# KiCad board helixloop.kicad_pcb (continued)
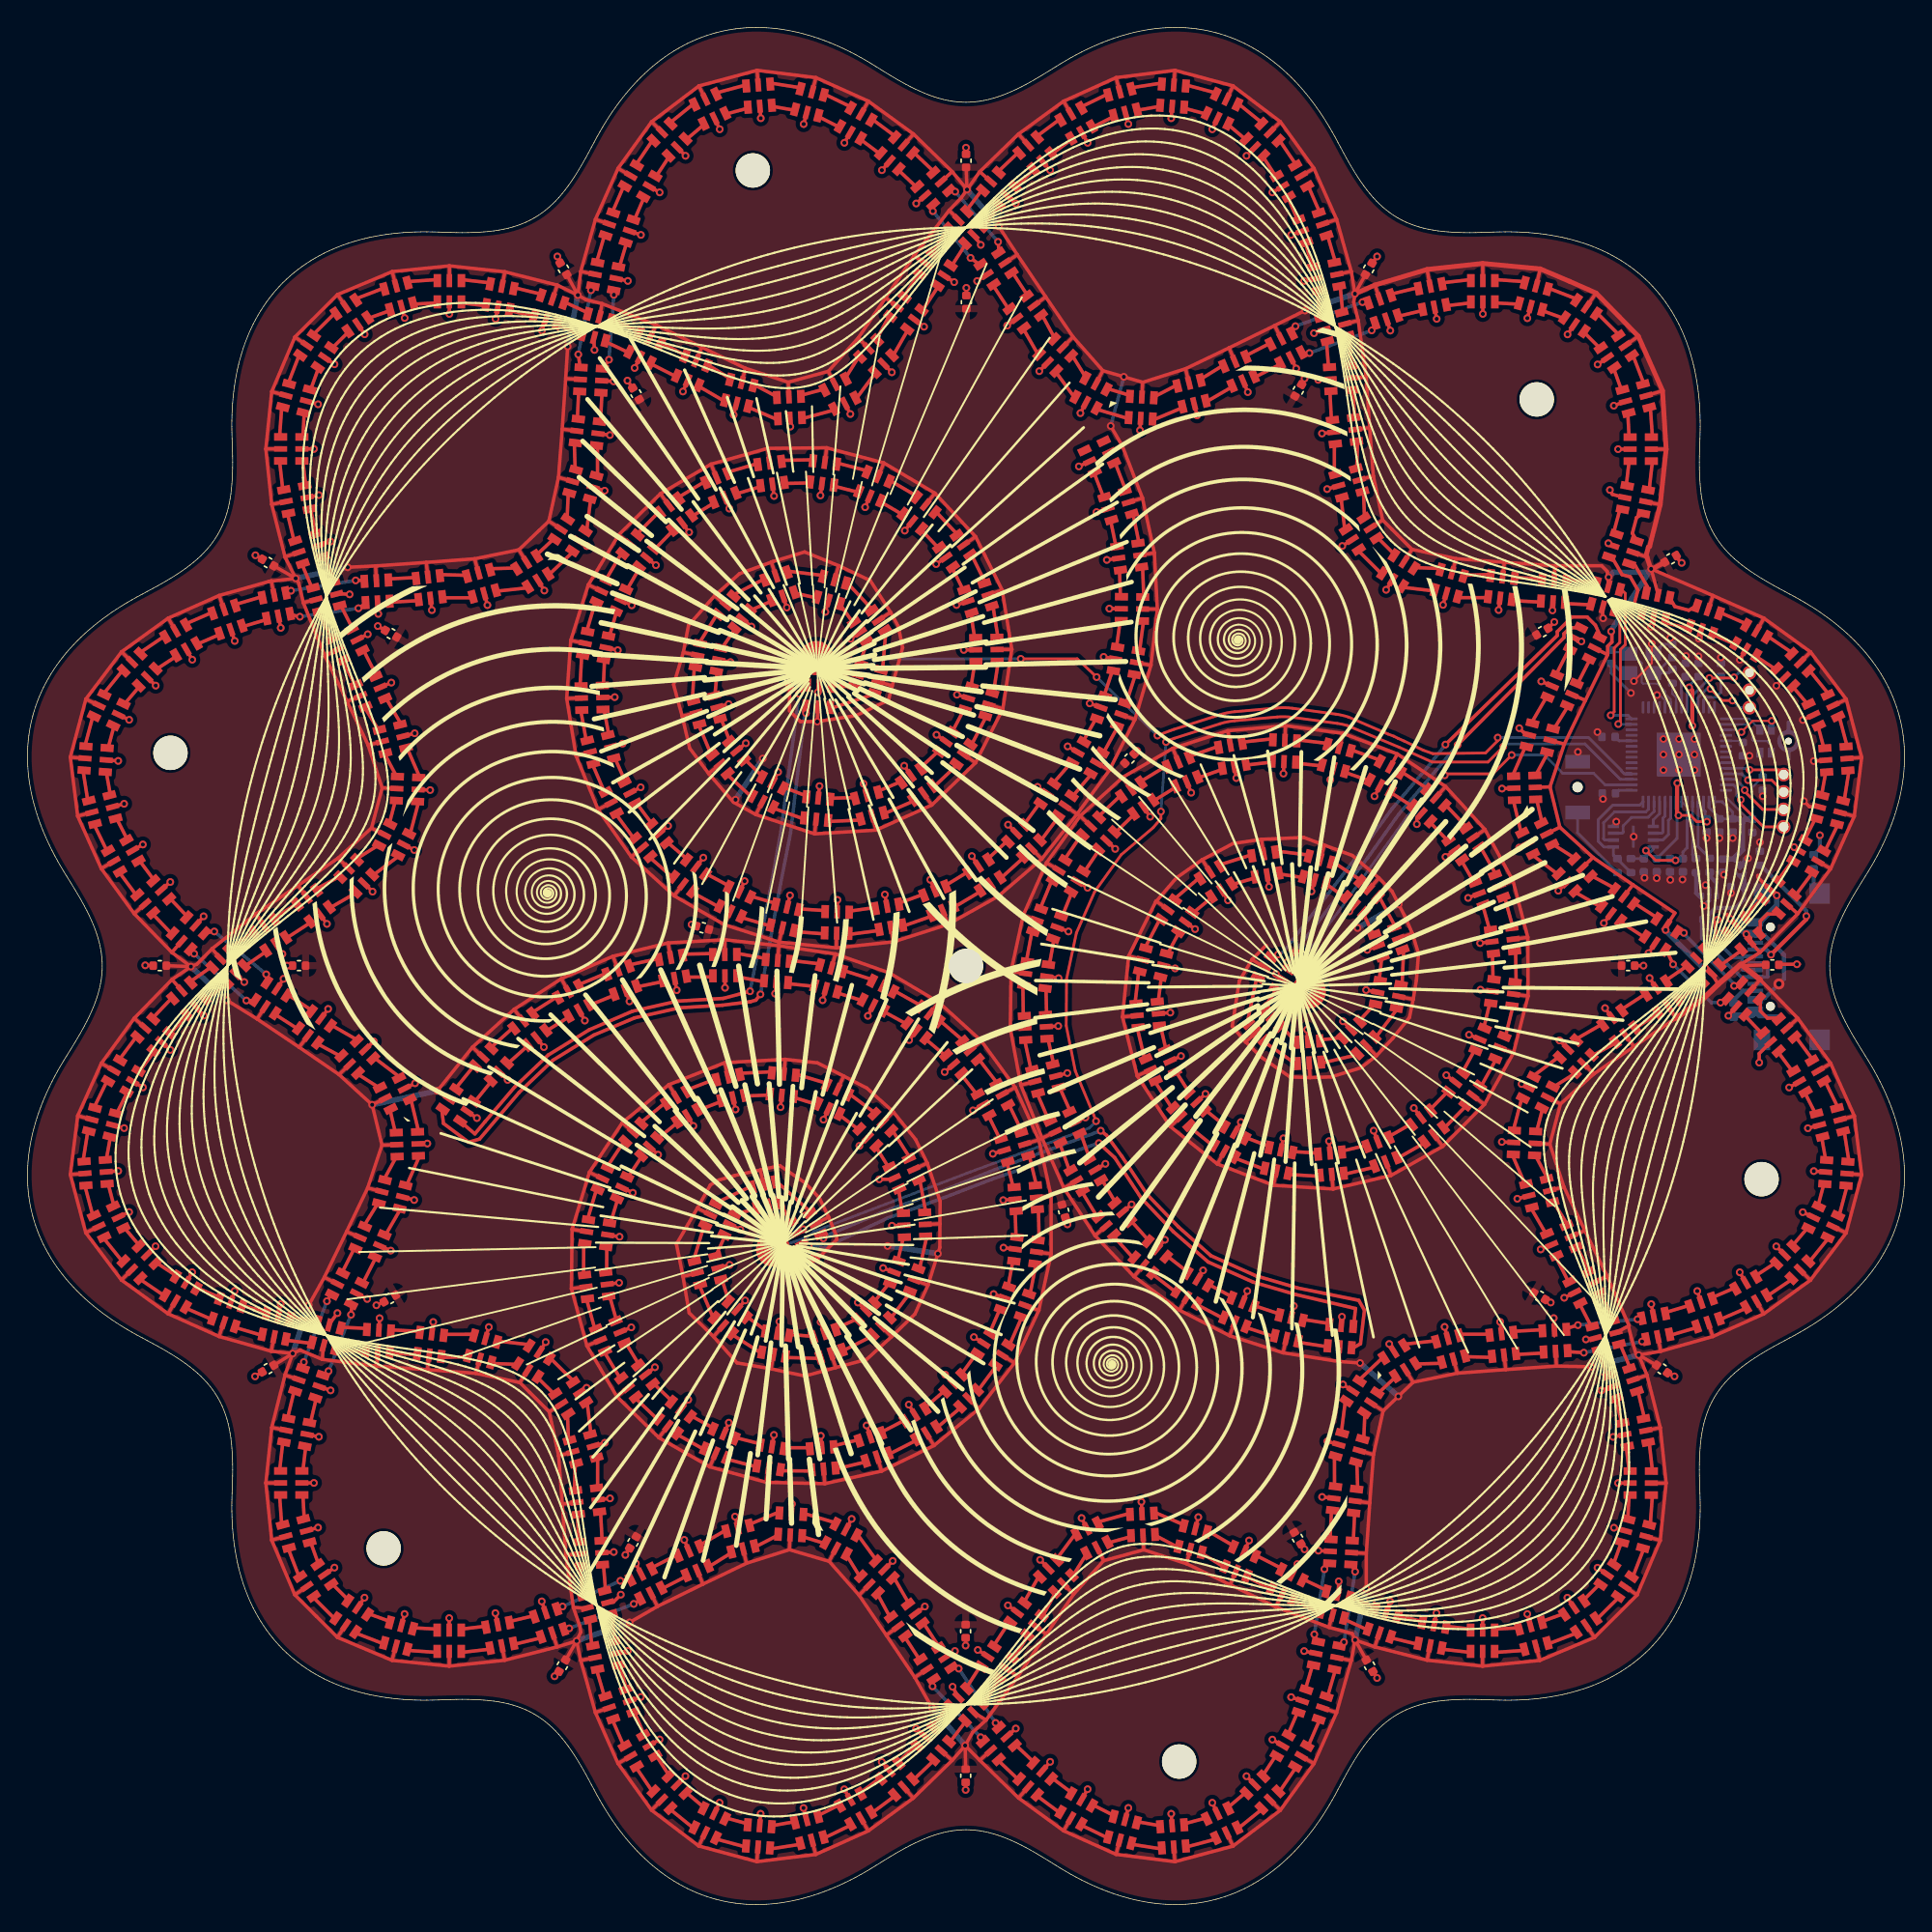
[diagram p0: board, top side]
## Routing (per net, layer and track width the routed paths; a pad name or vN(x,y) marks a point on that pad's centre or on a via; arc(x,y) is an arc through that point) (continued)
/SK9822 LED Array 1/LED_CKO: length 2.1
  Top w0.25: 118.38,106.92 118.23,109.06
/SK9822 LED Array 1/LED_SDO: length 1.7
  Top w0.25: 116.68,106.93 116.59,108.62
/SK9822 LED Array 2/LED_CKO: length 2.3
  Top w0.25: 95.92,53.2 98.13,53.72
/SK9822 LED Array 2/LED_SDO: length 1.8
  Top w0.25: 95.78,54.89 97.52,55.31
/SWCLK: length 5.7
  Top w0.2: v1(124.32,89.4) 124.28,89.35 v1(122.53,89.35)
  Bottom w0.2: U7.24 121.3,88.08 122.35,89.13 122.35,89.17 v1(122.53,89.35) ; J7.1 124.66,89.73 v1(124.32,89.4)
/SWD: length 5.3
  Top w0.2: v1(124.21,87.71) 123.45,87.71 v1(122.6,88.57)
  Bottom w0.2: v1(124.21,87.71) 124.73,87.19 J7.3 ; v1(122.6,88.57) 122.35,88.57 121.7,87.92 U7.25
/USB_D+: length 2
  Bottom w0.3: R8.1 121.56,73.69 121.78,73.47 U6.1
/USB_D+_IN: length 9.2
  Bottom w0.25: J6.A6 126.75,68.57 126.77,68.55 126.77,67.6 126.75,67.57 J6.B6 124.85,67.57 124.34,68.08 124.27,68.08 121.96,70.39 U6.6
/USB_D-: length 2
  Bottom w0.3: 123.01,73.5 U6.3 123.04,74.44 122.55,74.93 R9.1
/USB_D-_IN: length 6.8
  Top w0.25: v1(123.06,70.2) 122.98,70.28 122.98,71.6 v1(123.13,71.75)
  Bottom w0.25: v1(123.06,70.2) 124.28,68.98 124.92,68.98 ; 124.92,68.98 125.01,69.07 J6.B7 ; 124.92,68.98 124.92,68.16 125,68.07 J6.A7
/~{USB_BOOT}: length 5.6
  Bottom w0.2: R10.2 112.92,78.07 SW6.1
Net-(C31-Pad1): length 3.4
  Bottom w0.2: R15.2 119.56,89.72 Y6.3 118.65,89.72 119.78,90.85 C31.1
Net-(D1-CKO): length 2.2
  Top w0.25: 114.32,96.33 112.12,96.48
Net-(D1-SDO): length 1.9
  Top w0.25: 113.88,94.68 112.03,94.78
Net-(D2-CKO): length 2
  Top w0.25: 110.33,96.58 108.37,96.68
Net-(D2-SDO): length 2.1
  Top w0.25: 110.23,94.88 108.16,94.99
Net-(D3-CKO): length 1.9
  Top w0.25: 106.58,96.9 104.67,96.84
Net-(D3-SDO): length 2.2
  Top w0.25: 106.37,95.21 104.21,95.2
Net-(D4-CKO): length 1.9
  Top w0.25: 102.94,97.33 101.08,97.4
Net-(D4-SDO): length 2.3
  Top w0.25: 102.47,95.69 100.17,95.97
Net-(D5-CKO): length 1.7
  Top w0.25: 99.57,98.37 98.37,99.56
Net-(D5-SDO): length 2.4
  Top w0.25: 98.65,96.94 96.94,98.64
Net-(D6-CKO): length 1.9
  Top w0.25: 97.4,101.08 97.33,102.93
Net-(D6-SDO): length 2.3
  Top w0.25: 95.97,100.16 95.69,102.47
Net-(D7-CKO): length 1.9
  Top w0.25: 96.84,104.66 96.9,106.57
Net-(D7-SDO): length 2.2
  Top w0.25: 95.2,104.2 95.21,106.37
Net-(D8-CKO): length 2
  Top w0.25: 96.68,108.36 96.58,110.32
Net-(D8-SDO): length 2.1
  Top w0.25: 94.99,108.16 94.88,110.22
Net-(D10-CKI): length 2.2
  Top w0.25: 96.48,112.12 96.28,114.29
Net-(D10-CKO): length 1.9
  Top w0.25: 95.81,116.03 95.64,117.89
Net-(D10-SDI): length 1.8
  Top w0.25: 94.78,112.02 94.63,113.85
Net-(D10-SDO): length 2
  Top w0.25: 94.17,115.59 93.97,117.56
Net-(D11-CKO): length 2
  Top w0.25: 95.28,119.66 94.71,121.59
Net-(D11-SDO): length 1.8
  Top w0.25: 93.61,119.32 93.1,121.04
Net-(D12-CKO): length 2.1
  Top w0.25: 94.13,123.29 93.3,125.2
Net-(D12-SDO): length 1.7
  Top w0.25: 92.52,122.74 91.83,124.35
Net-(D13-CKO): length 2.1
  Top w0.25: 92.41,126.76 91.2,128.53
Net-(D13-SDO): length 1.7
  Top w0.25: 90.93,125.91 90.01,127.33
Net-(D14-CKO): length 2.2
  Top w0.25: 89.93,129.8 88.21,131.2
Net-(D14-SDO): length 1.6
  Top w0.25: 88.73,128.6 87.47,129.66
Net-(D15-CKO): length 2.2
  Top w0.25: 86.58,131.97 84.41,132.56
Net-(D15-SDO): length 1.6
  Top w0.25: 85.85,130.44 84.28,130.86
Net-(D16-CKO): length 2.2
  Top w0.25: 82.62,132.7 80.43,132.35
Net-(D16-SDO): length 1.6
  Top w0.25: 82.49,131 80.86,130.71
Net-(D17-CKO): length 2.1
  Top w0.25: 78.69,131.89 76.76,130.96
Net-(D17-SDO): length 1.7
  Top w0.25: 79.12,130.25 77.61,129.48
Net-(D18-CKO): length 2.1
  Top w0.25: 75.2,130.06 73.53,128.82
Net-(D18-SDO): length 1.7
  Top w0.25: 76.05,128.59 74.65,127.54
Net-(D19-CKO): length 2
  Top w0.25: 72.18,127.64 70.72,126.25
Net-(D19-SDO): length 1.8
  Top w0.25: 73.3,126.36 71.99,125.12
Net-(D20-CKO): length 1.9
  Top w0.25: 69.53,124.9 68.41,123.41
Net-(D20-SDO): length 2
  Top w0.25: 70.8,123.77 69.61,122.21
Net-(D21-CKO): length 2.2
  Top w0.25: 67.14,122.14 65.91,120.32
Net-(D21-SDO): length 1.9
  Top w0.25: 68.34,120.94 67.33,119.38
Net-(D22-CKO): length 2
  Top w0.25: 64.92,118.81 63.86,117.17
Net-(D22-SDO): length 2.1
  Top w0.25: 66.35,117.88 65.22,116.15
Net-(D23-CKO): length 1.9
  Top w0.25: 62.78,115.73 61.87,114.04
Net-(D23-SDO): length 2.2
  Top w0.25: 64.14,114.71 63.06,112.82
Net-(D24-CKO): length 1.9
  Top w0.25: 60.58,112.79 59.6,111.22
Net-(D24-SDO): length 2.3
  Top w0.25: 61.77,111.57 60.38,109.71
Net-(D25-CKO): length 1.7
  Top w0.25: 58,110.39 56.37,109.95
Net-(D25-SDO): length 2.4
  Top w0.25: 58.78,108.88 56.45,108.25
Net-(D26-CKO): length 1.9
  Top w0.25: 54.57,109.86 52.93,110.73
Net-(D26-SDO): length 2.3
  Top w0.25: 54.65,108.16 52.51,109.08
Net-(D27-CKO): length 1.9
  Top w0.25: 51.18,111.17 49.56,112.17
Net-(D27-SDO): length 2.2
  Top w0.25: 50.77,109.52 48.89,110.61
Net-(D28-CKO): length 2
  Top w0.25: 47.9,112.88 46.16,113.77
Net-(D28-SDO): length 2.1
  Top w0.25: 47.24,111.31 45.39,112.25
Net-(D29-CKO): length 2.2
  Top w0.25: 44.55,114.58 42.56,115.49
Net-(D29-SDO): length 1.8
  Top w0.25: 43.79,113.06 42.12,113.85
Net-(D30-CKO): length 1.9
  Top w0.25: 40.82,115.96 39.13,116.74
Net-(D30-SDO): length 2
  Top w0.25: 40.38,114.31 38.59,115.13
Net-(D31-CKO): length 2
  Top w0.25: 37.43,117.31 35.47,117.79
Net-(D31-SDO): length 1.8
  Top w0.25: 36.88,115.7 35.14,116.12
Net-(D32-CKO): length 2.1
  Top w0.25: 33.7,118.14 31.64,118.38
Net-(D32-SDO): length 1.7
  Top w0.25: 33.37,116.47 31.64,116.68
Net-(D33-CKO): length 2.1
  Top w0.25: 29.84,118.38 27.7,118.23
Net-(D33-SDO): length 1.7
  Top w0.25: 29.84,116.68 28.14,116.59
Net-(D34-CKO): length 2.2
  Top w0.25: 25.96,117.76 23.9,116.97
Net-(D34-SDO): length 1.6
  Top w0.25: 26.4,116.12 24.85,115.56
Net-(D35-CKO): length 2.2
  Top w0.25: 22.41,115.95 20.82,114.37
Net-(D35-SDO): length 1.6
  Top w0.25: 23.37,114.55 22.22,113.4
Net-(D36-CKO): length 2.2
  Top w0.25: 19.8,112.88 19,110.82
Net-(D36-SDO): length 1.6
  Top w0.25: 21.2,111.92 20.64,110.37
Net-(D37-CKO): length 2.1
  Top w0.25: 18.52,109.08 18.37,106.94
Net-(D37-SDO): length 1.7
  Top w0.25: 20.16,108.64 20.07,106.94
Net-(D38-CKO): length 2.1
  Top w0.25: 18.37,105.14 18.6,103.08
Net-(D38-SDO): length 1.7
  Top w0.25: 20.07,105.14 20.27,103.41
Net-(D39-CKO): length 2
  Top w0.25: 18.95,101.31 19.42,99.35
Net-(D39-SDO): length 1.8
  Top w0.25: 20.62,101.64 21.03,99.89
Net-(D40-CKO): length 1.9
  Top w0.25: 20,97.64 20.72,95.93
Net-(D40-SDO): length 2
  Top w0.25: 21.61,98.19 22.36,96.37
Net-(D41-CKO): length 2.2
  Top w0.25: 21.19,94.19 22.15,92.22
Net-(D41-SDO): length 1.8
  Top w0.25: 22.83,94.63 23.67,92.98
Net-(D42-CKO): length 2
  Top w0.25: 22.96,90.61 23.86,88.86
Net-(D42-SDO): length 2.1
  Top w0.25: 24.48,91.38 25.42,89.53
Net-(D43-CKO): length 1.9
  Top w0.25: 24.56,87.21 25.57,85.58
Net-(D43-SDO): length 2.2
  Top w0.25: 26.13,87.88 27.21,86
Net-(D44-CKO): length 1.9
  Top w0.25: 26.01,83.84 26.88,82.2
Net-(D44-SDO): length 2.3
  Top w0.25: 27.66,84.26 28.58,82.12
Net-(D45-CKO): length 1.7
  Top w0.25: 26.8,80.4 26.37,78.77
Net-(D45-SDO): length 2.4
  Top w0.25: 28.5,80.33 27.88,77.99
Net-(D46-CKO): length 1.9
  Top w0.25: 25.54,77.17 23.97,76.18
Net-(D46-SDO): length 2.3
  Top w0.25: 27.06,76.39 25.19,74.99
Net-(D47-CKO): length 1.9
  Top w0.25: 22.72,74.89 21.04,73.98
Net-(D47-SDO): length 2.2
  Top w0.25: 23.94,73.7 22.06,72.62
Net-(D48-CKO): length 2
  Top w0.25: 19.6,72.9 17.95,71.83
Net-(D48-SDO): length 2.1
  Top w0.25: 20.62,71.54 18.88,70.41
Net-(D49-CKO): length 2.2
  Top w0.25: 16.45,70.85 14.66,69.58
Net-(D49-SDO): length 1.8
  Top w0.25: 17.38,69.42 15.86,68.38
Net-(D50-CKO): length 1.9
  Top w0.25: 13.39,68.31 11.87,67.23
Net-(D50-SDO): length 2
  Top w0.25: 14.59,67.1 12.99,65.96
Net-(D51-CKO): length 2
  Top w0.25: 10.52,66.04 9.12,64.58
Net-(D51-SDO): length 1.8
  Top w0.25: 11.64,64.77 10.4,63.46
Net-(D52-CKO): length 2.1
  Top w0.25: 7.94,63.23 6.7,61.56
Net-(D52-SDO): length 1.7
  Top w0.25: 9.22,62.11 8.17,60.71
Net-(D53-CKO): length 2.1
  Top w0.25: 5.8,60 4.86,58.08
Net-(D53-SDO): length 1.7
  Top w0.25: 7.27,59.15 6.5,57.64
Net-(D54-CKO): length 2.2
  Top w0.25: 4.4,56.34 4.05,54.15
Net-(D54-SDO): length 1.6
  Top w0.25: 6.04,55.9 5.75,54.28
Net-(D55-CKO): length 2.2
  Top w0.25: 4.19,52.36 4.76,50.19
Net-(D55-SDO): length 1.6
  Top w0.25: 5.88,52.48 6.3,50.92
Net-(D56-CKO): length 2.2
  Top w0.25: 5.54,48.56 6.92,46.84
Net-(D56-SDO): length 1.6
  Top w0.25: 7.07,49.29 8.13,48.03
Net-(D57-CKO): length 2.1
  Top w0.25: 8.19,45.56 9.97,44.35
Net-(D57-SDO): length 1.7
  Top w0.25: 9.4,46.75 10.82,45.82
Net-(D58-CKO): length 2.1
  Top w0.25: 11.53,43.45 13.43,42.62
Net-(D58-SDO): length 1.7
  Top w0.25: 12.38,44.92 13.98,44.23
Net-(D59-CKO): length 2
  Top w0.25: 15.13,42.04 17.07,41.47
Net-(D59-SDO): length 1.8
  Top w0.25: 15.68,43.65 17.41,43.14
Net-(D60-CKO): length 1.9
  Top w0.25: 18.84,41.11 20.68,40.88
Net-(D60-SDO): length 2
  Top w0.25: 19.17,42.78 21.12,42.52
Net-(D61-CKO): length 2.2
  Top w0.25: 22.42,40.42 24.61,40.27
Net-(D61-SDO): length 1.8
  Top w0.25: 22.86,42.06 24.71,41.97
Net-(D62-CKO): length 2
  Top w0.25: 26.41,40.17 28.37,40.07
Net-(D62-SDO): length 2.1
  Top w0.25: 26.51,41.86 28.57,41.75
Net-(D63-CKO): length 1.9
  Top w0.25: 30.16,39.85 32.06,39.91
Net-(D63-SDO): length 2.2
  Top w0.25: 30.36,41.54 32.53,41.54
Net-(D64-CKO): length 1.9
  Top w0.25: 33.8,39.42 35.65,39.35
Net-(D64-SDO): length 2.3
  Top w0.25: 34.26,41.05 36.57,40.78
Net-(D65-CKO): length 1.7
  Top w0.25: 37.17,38.38 38.37,37.19
Net-(D65-SDO): length 2.4
  Top w0.25: 38.08,39.81 39.8,38.11
Net-(D66-CKO): length 1.9
  Top w0.25: 39.34,35.68 39.41,33.82
Net-(D66-SDO): length 2.3
  Top w0.25: 40.77,36.6 41.05,34.29
Net-(D67-CKO): length 1.9
  Top w0.25: 39.9,32.09 39.85,30.18
Net-(D67-SDO): length 2.2
  Top w0.25: 41.54,32.56 41.54,30.39
Net-(D68-CKO): length 2
  Top w0.25: 40.06,28.39 40.16,26.44
Net-(D68-SDO): length 2.1
  Top w0.25: 41.75,28.6 41.86,26.53
Net-(D69-CKO): length 2.2
  Top w0.25: 40.27,24.64 40.47,22.46
Net-(D69-SDO): length 1.8
  Top w0.25: 41.96,24.74 42.11,22.9
Net-(D70-CKO): length 1.9
  Top w0.25: 40.94,20.72 41.11,18.87
Net-(D70-SDO): length 2
  Top w0.25: 42.58,21.16 42.77,19.2
Net-(D71-CKO): length 2
  Top w0.25: 41.46,17.1 42.03,15.17
Net-(D71-SDO): length 1.8
  Top w0.25: 43.13,17.44 43.64,15.72
Net-(D72-CKO): length 2.1
  Top w0.25: 42.61,13.46 43.44,11.56
Net-(D72-SDO): length 1.7
  Top w0.25: 44.22,14.01 44.91,12.41
Net-(D73-CKO): length 2.1
  Top w0.25: 44.33,10 45.53,8.22
Net-(D73-SDO): length 1.7
  Top w0.25: 45.81,10.85 46.73,9.42
Net-(D74-CKO): length 2.2
  Top w0.25: 46.81,6.95 48.53,5.56
Net-(D74-SDO): length 1.6
  Top w0.25: 48.01,8.15 49.26,7.09
Net-(D75-CKO): length 2.2
  Top w0.25: 50.15,4.78 52.32,4.19
Net-(D75-SDO): length 1.6
  Top w0.25: 50.89,6.31 52.45,5.89
Net-(D76-CKO): length 2.2
  Top w0.25: 54.11,4.05 56.3,4.39
Net-(D76-SDO): length 1.6
  Top w0.25: 54.25,5.74 55.87,6.03
Net-(D77-CKO): length 2.1
  Top w0.25: 58.04,4.85 59.97,5.78
Net-(D77-SDO): length 1.7
  Top w0.25: 57.61,6.49 59.12,7.26
Net-(D78-CKO): length 2.1
  Top w0.25: 61.53,6.68 63.2,7.92
Net-(D78-SDO): length 1.7
  Top w0.25: 60.68,8.15 62.08,9.2
Net-(D79-CKO): length 2
  Top w0.25: 64.56,9.1 66.02,10.49
Net-(D79-SDO): length 1.8
  Top w0.25: 63.44,10.38 64.75,11.62
Net-(D80-CKO): length 1.9
  Top w0.25: 67.21,11.84 68.34,13.33
Net-(D80-SDO): length 2
  Top w0.25: 65.94,12.97 67.13,14.53
Net-(D81-CKO): length 2.2
  Top w0.25: 69.61,14.6 70.83,16.42
Net-(D81-SDO): length 1.8
  Top w0.25: 68.41,15.8 69.41,17.36
Net-(D82-CKO): length 2
  Top w0.25: 71.82,17.93 72.88,19.57
Net-(D82-SDO): length 2.1
  Top w0.25: 70.4,18.86 71.52,20.59
Net-(D83-CKO): length 1.9
  Top w0.25: 73.97,21.01 74.87,22.7
Net-(D83-SDO): length 2.2
  Top w0.25: 72.61,22.03 73.68,23.91
Net-(D84-CKO): length 1.9
  Top w0.25: 76.16,23.95 77.14,25.52
Net-(D84-SDO): length 2.3
  Top w0.25: 74.97,25.17 76.36,27.03
Net-(D85-CKO): length 1.7
  Top w0.25: 78.74,26.35 80.37,26.8
Net-(D85-SDO): length 2.4
  Top w0.25: 77.96,27.86 80.29,28.5
Net-(D86-CKO): length 1.9
  Top w0.25: 82.17,26.88 83.81,26.02
Net-(D86-SDO): length 2.3
  Top w0.25: 82.09,28.58 84.23,27.67
Net-(D87-CKO): length 1.9
  Top w0.25: 85.56,25.58 87.18,24.57
Net-(D87-SDO): length 2.2
  Top w0.25: 85.97,27.23 87.85,26.14
Net-(D88-CKO): length 2
  Top w0.25: 88.84,23.87 90.59,22.98
Net-(D88-SDO): length 2.1
  Top w0.25: 89.51,25.43 91.35,24.49
Net-(D89-CKO): length 2.2
  Top w0.25: 92.19,22.17 94.18,21.25
Net-(D89-SDO): length 1.8
  Top w0.25: 92.96,23.69 94.62,22.89
Net-(D90-CKO): length 1.9
  Top w0.25: 95.92,20.79 97.61,20.01
Net-(D90-SDO): length 2
  Top w0.25: 96.36,22.43 98.16,21.62
Net-(D91-CKO): length 2
  Top w0.25: 99.32,19.43 101.28,18.96
Net-(D91-SDO): length 1.8
  Top w0.25: 99.86,21.04 101.61,20.62
Net-(D92-CKO): length 2.1
  Top w0.25: 103.04,18.61 105.11,18.37
Net-(D92-SDO): length 1.7
  Top w0.25: 103.37,20.27 105.11,20.07
Net-(D93-CKO): length 2.1
  Top w0.25: 106.91,18.37 109.05,18.52
Net-(D93-SDO): length 1.7
  Top w0.25: 106.91,20.07 108.6,20.16
Net-(D94-CKO): length 2.2
  Top w0.25: 110.78,18.99 112.85,19.78
Net-(D94-SDO): length 1.6
  Top w0.25: 110.34,20.63 111.89,21.18
Net-(D95-CKO): length 2.2
  Top w0.25: 114.34,20.79 115.93,22.38
Net-(D95-SDO): length 1.6
  Top w0.25: 113.38,22.2 114.53,23.34
Net-(D96-CKO): length 2.2
  Top w0.25: 116.95,23.86 117.75,25.92
Net-(D96-SDO): length 1.6
  Top w0.25: 115.55,24.82 116.11,26.37
Net-(D97-CKO): length 2.1
  Top w0.25: 118.22,27.66 118.38,29.8
Net-(D97-SDO): length 1.7
  Top w0.25: 116.58,28.11 116.68,29.8
Net-(D98-CKO): length 2.1
  Top w0.25: 118.38,31.6 118.14,33.67
Net-(D98-SDO): length 1.7
  Top w0.25: 116.68,31.6 116.48,33.34
Net-(D100-CKI): length 2
  Top w0.25: 117.8,35.43 117.32,37.4
Net-(D100-CKO): length 1.9
  Top w0.25: 116.75,39.1 116.02,40.82
Net-(D100-SDI): length 1.8
  Top w0.25: 116.13,35.1 115.71,36.85
Net-(D100-SDO): length 2
  Top w0.25: 115.14,38.56 114.38,40.38
Net-(D101-CKO): length 2.2
  Top w0.25: 115.56,42.56 114.59,44.52
Net-(D101-SDO): length 1.8
  Top w0.25: 113.92,42.12 113.07,43.76
Net-(D102-CKO): length 2
  Top w0.25: 113.78,46.13 112.89,47.88
Net-(D102-SDO): length 2.1
  Top w0.25: 112.26,45.37 111.33,47.21
Net-(D103-CKO): length 1.9
  Top w0.25: 112.18,49.54 111.18,51.16
Net-(D103-SDO): length 2.2
  Top w0.25: 110.62,48.87 109.53,50.74
Net-(D104-CKO): length 1.9
  Top w0.25: 110.74,52.91 109.87,54.54
Net-(D104-SDO): length 2.3
  Top w0.25: 109.09,52.49 108.17,54.62
Net-(D105-CKO): length 1.7
  Top w0.25: 109.95,56.34 110.38,57.98
Net-(D105-SDO): length 2.4
  Top w0.25: 108.25,56.42 108.87,58.76
Net-(D106-CKO): length 1.9
  Top w0.25: 111.2,59.58 112.77,60.57
Net-(D106-SDO): length 2.3
  Top w0.25: 109.69,60.36 111.55,61.75
Net-(D107-CKO): length 1.9
  Top w0.25: 114.03,61.86 115.71,62.77
Net-(D107-SDO): length 2.2
  Top w0.25: 112.81,63.04 114.69,64.12
Net-(D108-CKO): length 2
  Top w0.25: 117.15,63.85 118.79,64.91
Net-(D108-SDO): length 2.1
  Top w0.25: 116.13,65.21 117.86,66.33
Net-(D109-CKO): length 2.2
  Top w0.25: 120.3,65.9 122.08,67.16
Net-(D109-SDO): length 1.8
  Top w0.25: 119.37,67.32 120.88,68.37
Net-(D110-CKO): length 1.9
  Top w0.25: 123.36,68.44 124.88,69.51
Net-(D110-SDO): length 2.6
  Top w0.25: 123.76,70.79 123.76,69.97 123.33,69.55 122.25,69.55 122.15,69.64
Net-(D111-CKO): length 2.5
  Top w0.25: 126.23,70.7 126.23,71.65 126.74,72.16 127.62,72.16
Net-(D111-SDO): length 1.8
  Top w0.25: 125.11,71.98 126.34,73.28
Net-(D112-CKO): length 2.1
  Top w0.25: 128.81,73.52 130.04,75.18
Net-(D112-SDO): length 1.7
  Top w0.25: 127.53,74.63 128.57,76.04
Net-(D113-CKO): length 2.1
  Top w0.25: 130.95,76.74 131.89,78.67
Net-(D113-SDO): length 1.7
  Top w0.25: 129.48,77.59 130.24,79.11
Net-(D114-CKO): length 2.2
  Top w0.25: 132.35,80.41 132.69,82.59
Net-(D114-SDO): length 1.6
  Top w0.25: 130.71,80.85 131,82.47
Net-(D115-CKO): length 2.2
  Top w0.25: 132.56,84.39 131.98,86.56
Net-(D115-SDO): length 1.6
  Top w0.25: 130.86,84.26 130.45,85.83
Net-(D116-CKO): length 2.2
  Top w0.25: 131.21,88.18 129.82,89.91
Net-(D116-SDO): length 1.6
  Top w0.25: 129.67,87.45 128.61,88.71
Net-(D117-CKO): length 2.1
  Top w0.25: 128.55,91.19 126.78,92.39
Net-(D117-SDO): length 1.7
  Top w0.25: 127.35,89.99 125.93,90.92
Net-(D118-CKO): length 2.1
  Top w0.25: 125.22,93.29 123.32,94.12
Net-(D118-SDO): length 1.7
  Top w0.25: 124.37,91.82 122.77,92.51
Net-(D119-CKO): length 2.5
  Top w0.25: D120.4 120.01,94.56 121.02,94.29 D119.6
Net-(D119-SDO): length 2
  Top w0.25: 119.34,93.61 119.49,93.34 120.85,92.98 121.06,93.1
Net-(D120-CKO): length 2.5
  Top w0.25: 116.74,97.63 117.13,97.53 118.01,96.01 117.91,95.63
Net-(D120-SDO): length 5.4
  Top w0.25: 117.57,93.97 117.07,94.83 117.32,95.76 116.76,96.72 116.16,96.88 115.47,98.08 115.13,98.17
Net-(D121-CKO): length 2.4
  Top w0.25: D121.6 116.92,99.9 117.22,101.05 D122.4
Net-(D121-SDO): length 1.9
  Top w0.25: 116.12,101.62 115.98,101.54 115.59,100.08 115.71,99.88
Net-(D122-CKO): length 2.1
  Top w0.25: 118.14,103.06 118.38,105.12
Net-(D122-SDO): length 1.7
  Top w0.25: 116.47,103.39 116.68,105.13
Net-(D124-CKO): length 2.2
  Top w0.25: 117.75,110.8 116.96,112.87
Net-(D124-SDO): length 1.6
  Top w0.25: 116.11,110.35 115.55,111.91
Net-(D125-CKO): length 2.2
  Top w0.25: 115.94,114.35 114.35,115.94
Net-(D125-SDO): length 1.6
  Top w0.25: 114.54,113.39 113.39,114.54
Net-(D126-CKO): length 2.2
  Top w0.25: 112.87,116.96 110.8,117.75
Net-(D126-SDO): length 1.6
  Top w0.25: 111.91,115.55 110.35,116.11
Net-(D127-CKO): length 2.1
  Top w0.25: 109.06,118.23 106.92,118.38
Net-(D127-SDO): length 1.7
  Top w0.25: 108.62,116.59 106.93,116.68
Net-(D128-CKO): length 2.1
  Top w0.25: 105.12,118.38 103.06,118.14
Net-(D128-SDO): length 1.7
  Top w0.25: 105.13,116.68 103.39,116.47
Net-(D129-CKO): length 2
  Top w0.25: 101.3,117.79 99.34,117.32
Net-(D129-SDO): length 1.8
  Top w0.25: 101.62,116.12 99.88,115.71
Net-(D130-CKO): length 6.1
  Top w0.25: v1(92.38,114.98) 92.11,114.54 ; v1(97.25,116.73) 97.63,116.74
  Bottom w0.25: v1(97.25,116.73) v1(92.38,114.98)
Net-(D130-SDO): length 5.9
  Top w0.25: v1(97.93,114.68) 98.17,115.13 ; 92.87,113.02 v1(93.39,113.03)
  Bottom w0.25: v1(93.39,113.03) v1(97.93,114.68)
Net-(D131-CKO): length 2
  Top w0.25: 90.5,113.73 88.76,112.83
Net-(D131-SDO): length 2.1
  Top w0.25: 91.26,112.21 89.42,111.27
Net-(D132-CKO): length 1.9
  Top w0.25: 87.1,112.13 85.48,111.13
Net-(D132-SDO): length 2.2
  Top w0.25: 87.76,110.57 85.88,109.48
Net-(D133-CKO): length 1.9
  Top w0.25: 83.73,110.7 82.09,109.84
Net-(D133-SDO): length 2.3
  Top w0.25: 84.14,109.05 81.99,108.15
Net-(D134-CKO): length 1.7
  Top w0.25: 80.29,109.95 78.67,110.44
Net-(D134-SDO): length 2.4
  Top w0.25: 80.19,108.25 77.88,108.93
Net-(D135-CKO): length 1.9
  Top w0.25: 77.08,111.28 76.11,112.86
Net-(D135-SDO): length 2.3
  Top w0.25: 76.28,109.78 74.91,111.65
Net-(D136-CKO): length 1.9
  Top w0.25: 74.82,114.12 73.91,115.8
Net-(D136-SDO): length 2.2
  Top w0.25: 73.63,112.91 72.55,114.79
Net-(D137-CKO): length 2
  Top w0.25: 72.84,117.24 71.77,118.89
Net-(D137-SDO): length 2.1
  Top w0.25: 71.48,116.23 70.34,117.96
Net-(D138-CKO): length 5.9
  Top w0.25: v1(67.58,124.79) 67.22,124.9 ; 70.78,120.39 v1(70.71,121.13)
  Bottom w0.25: v1(70.71,121.13) v1(67.58,124.79)
Net-(D138-SDO): length 5.6
  Top w0.25: 65.94,123.77 v1(65.96,123.36) ; v1(68.7,119.96) 69.36,119.46
  Bottom w0.25: v1(65.96,123.36) v1(68.7,119.96)
Net-(D139-CKO): length 2
  Top w0.25: 66.03,126.25 64.57,127.64
Net-(D139-SDO): length 1.8
  Top w0.25: 64.75,125.12 63.45,126.36
Net-(D140-CKO): length 2.1
  Top w0.25: 63.21,128.82 61.54,130.06
Net-(D140-SDO): length 1.7
  Top w0.25: 62.09,127.54 60.69,128.59
Net-(D141-CKO): length 2.1
  Top w0.25: 59.98,130.96 58.06,131.89
Net-(D141-SDO): length 1.7
  Top w0.25: 59.13,129.48 57.62,130.25
Net-(D142-CKO): length 2.2
  Top w0.25: 56.31,132.35 54.13,132.7
Net-(D142-SDO): length 1.6
  Top w0.25: 55.88,130.71 54.26,131
Net-(D143-CKO): length 2.2
  Top w0.25: 52.33,132.56 50.16,131.97
Net-(D143-SDO): length 1.6
  Top w0.25: 52.46,130.86 50.9,130.44
Net-(D144-CKO): length 2.2
  Top w0.25: 48.54,131.2 46.82,129.8
Net-(D144-SDO): length 1.6
  Top w0.25: 49.27,129.66 48.02,128.6
Net-(D145-CKO): length 2.1
  Top w0.25: 45.54,128.53 44.34,126.76
Net-(D145-SDO): length 1.7
  Top w0.25: 46.74,127.33 45.81,125.91
Net-(D146-CKO): length 2.1
  Top w0.25: 43.44,125.2 42.61,123.29
Net-(D146-SDO): length 1.7
  Top w0.25: 44.91,124.35 44.22,122.74
Net-(D147-CKO): length 2
  Top w0.25: 42.03,121.59 41.46,119.66
Net-(D147-SDO): length 1.8
  Top w0.25: 43.64,121.04 43.13,119.32
Net-(D148-CKO): length 6
  Top w0.25: v1(41.05,117.6) 41.11,117.89 ; 40.26,112.01 v1(40.13,112.92)
  Bottom w0.25: v1(40.13,112.92) v1(41.05,117.6)
Net-(D148-SDO): length 5.8
  Top w0.25: 42.78,117.56 v1(42.72,117.27) ; 41.96,111.91 v1(42.36,112.54)
  Bottom w0.25: v1(42.72,117.27) v1(42.36,112.54)
Net-(D149-CKO): length 2
  Top w0.25: 40.16,110.21 40.06,108.25
Net-(D149-SDO): length 2.1
  Top w0.25: 41.85,110.11 41.75,108.04
Net-(D150-CKO): length 1.9
  Top w0.25: 39.84,106.47 39.9,104.56
Net-(D150-SDO): length 2.2
  Top w0.25: 41.53,106.26 41.53,104.09
Net-(D151-CKO): length 1.8
  Top w0.25: 39.4,102.83 39.31,100.98
Net-(D151-SDO): length 2.3
  Top w0.25: 41.03,102.36 40.74,100.05
Net-(D152-CKO): length 1.7
  Top w0.25: 38.33,99.48 37.09,98.32
Net-(D152-SDO): length 2.4
  Top w0.25: 39.75,98.55 37.99,96.88
Net-(D153-CKO): length 1.9
  Top w0.25: 35.57,97.37 33.71,97.31
Net-(D153-SDO): length 2.3
  Top w0.25: 36.47,95.93 34.16,95.67
Net-(D154-CKO): length 1.9
  Top w0.25: 31.97,96.83 30.06,96.89
Net-(D154-SDO): length 2.2
  Top w0.25: 32.43,95.19 30.26,95.2
Net-(D155-CKO): length 2
  Top w0.25: 28.28,96.68 26.31,96.57
Net-(D155-SDO): length 2.1
  Top w0.25: 28.47,94.99 26.41,94.87
Net-(D156-CKO): length 5.7
  Top w0.25: 18.84,95.63 v1(19.2,95.71) ; v1(23.91,96.46) 24.52,96.47
  Bottom w0.25: v1(19.2,95.71) v1(23.91,96.46)
Net-(D156-SDO): length 5.6
  Top w0.25: 24.61,94.77 v1(24.11,94.43) ; v1(19.85,93.82) 19.18,93.97
  Bottom w0.25: v1(24.11,94.43) v1(19.85,93.82)
Net-(D157-CKO): length 2
  Top w0.25: 17.08,95.28 15.14,94.71
Net-(D157-SDO): length 1.8
  Top w0.25: 17.41,93.61 15.69,93.1
Net-(D158-CKO): length 2.1
  Top w0.25: 13.44,94.13 11.54,93.3
Net-(D158-SDO): length 1.7
  Top w0.25: 13.99,92.52 12.39,91.83
Net-(D159-CKO): length 2.1
  Top w0.25: 9.98,92.4 8.2,91.2
Net-(D159-SDO): length 1.7
  Top w0.25: 10.83,90.93 9.41,90
Net-(D160-CKO): length 2.2
  Top w0.25: 6.93,89.92 5.54,88.2
Net-(D160-SDO): length 1.6
  Top w0.25: 8.14,88.72 7.08,87.46
Net-(D161-CKO): length 2.2
  Top w0.25: 4.77,86.57 4.19,84.4
Net-(D161-SDO): length 1.6
  Top w0.25: 6.3,85.84 5.88,84.27
Net-(D162-CKO): length 2.2
  Top w0.25: 4.05,82.61 4.39,80.42
Net-(D162-SDO): length 1.6
  Top w0.25: 5.74,82.48 6.04,80.85
Net-(D163-CKO): length 2.1
  Top w0.25: 4.85,78.68 5.79,76.75
Net-(D163-SDO): length 1.7
  Top w0.25: 6.5,79.11 7.26,77.6
Net-(D164-CKO): length 2.1
  Top w0.25: 6.69,75.19 7.93,73.52
Net-(D164-SDO): length 1.7
  Top w0.25: 8.17,76.04 9.21,74.64
Net-(D165-CKO): length 2
  Top w0.25: 9.12,72.17 10.51,70.71
Net-(D165-SDO): length 1.8
  Top w0.25: 10.4,73.29 11.63,71.99
Net-(D166-CKO): length 6.1
  Top w0.25: 16.53,65.84 v1(15.95,65.86) ; v1(12.14,69.27) 11.86,69.52
  Bottom w0.25: v1(15.95,65.86) v1(12.14,69.27)
Net-(D166-SDO): length 6
  Top w0.25: 12.98,70.8 v1(13.61,70.89) ; v1(17.39,67.76) 17.46,67.26
  Bottom w0.25: v1(13.61,70.89) v1(17.39,67.76)
Net-(D167-CKO): length 2
  Top w0.25: 18.03,64.85 19.68,63.79
Net-(D167-SDO): length 2.1
  Top w0.25: 18.97,66.28 20.7,65.15
Net-(D168-CKO): length 1.9
  Top w0.25: 21.12,62.71 22.8,61.81
Net-(D168-SDO): length 2.2
  Top w0.25: 22.14,64.06 24.02,62.98
Net-(D169-CKO): length 1.8
  Top w0.25: 24.04,60.51 25.6,59.51
Net-(D169-SDO): length 2.3
  Top w0.25: 25.27,61.69 27.12,60.28
Net-(D170-CKO): length 1.7
  Top w0.25: 26.41,57.9 26.8,56.26
Net-(D170-SDO): length 2.4
  Top w0.25: 27.93,58.67 28.49,56.32
Net-(D171-CKO): length 1.9
  Top w0.25: 26.86,54.46 25.98,52.82
Net-(D171-SDO): length 2.3
  Top w0.25: 28.56,54.52 27.62,52.4
Net-(D172-CKO): length 1.9
  Top w0.25: 25.53,51.08 24.52,49.45
Net-(D172-SDO): length 2.2
  Top w0.25: 27.17,50.65 26.09,48.78
Net-(D173-CKO): length 2
  Top w0.25: 23.81,47.8 22.92,46.05
Net-(D173-SDO): length 2.1
  Top w0.25: 25.37,47.13 24.44,45.28
Net-(D174-CKO): length 5.7
  Top w0.25: 22.11,44.44 v1(21.82,43.96) ; v1(20.13,39.52) 20,39.11
  Bottom w0.25: v1(21.82,43.96) v1(20.13,39.52)
Net-(D174-SDO): length 5.6
  Top w0.25: v1(23.57,42.97) 23.63,43.68 ; 21.61,38.57 v1(21.94,38.86)
  Bottom w0.25: v1(21.94,38.86) v1(23.57,42.97)
Net-(D175-CKO): length 2
  Top w0.25: 19.42,37.4 18.95,35.44
Net-(D175-SDO): length 1.8
  Top w0.25: 21.04,36.86 20.62,35.12